# Altium PCB betaV2.3.PcbDoc (part 2 of 2)
Units mm, origin at the board's own origin, x right, y up, seen from the top; angles counter-clockwise.
Board outline 80.01 x 100.08 mm, 2 copper layers (Top Layer, Bottom Layer), stack 1.671 mm thick; 215 components, 117 nets, 570 pads, 209 vias.
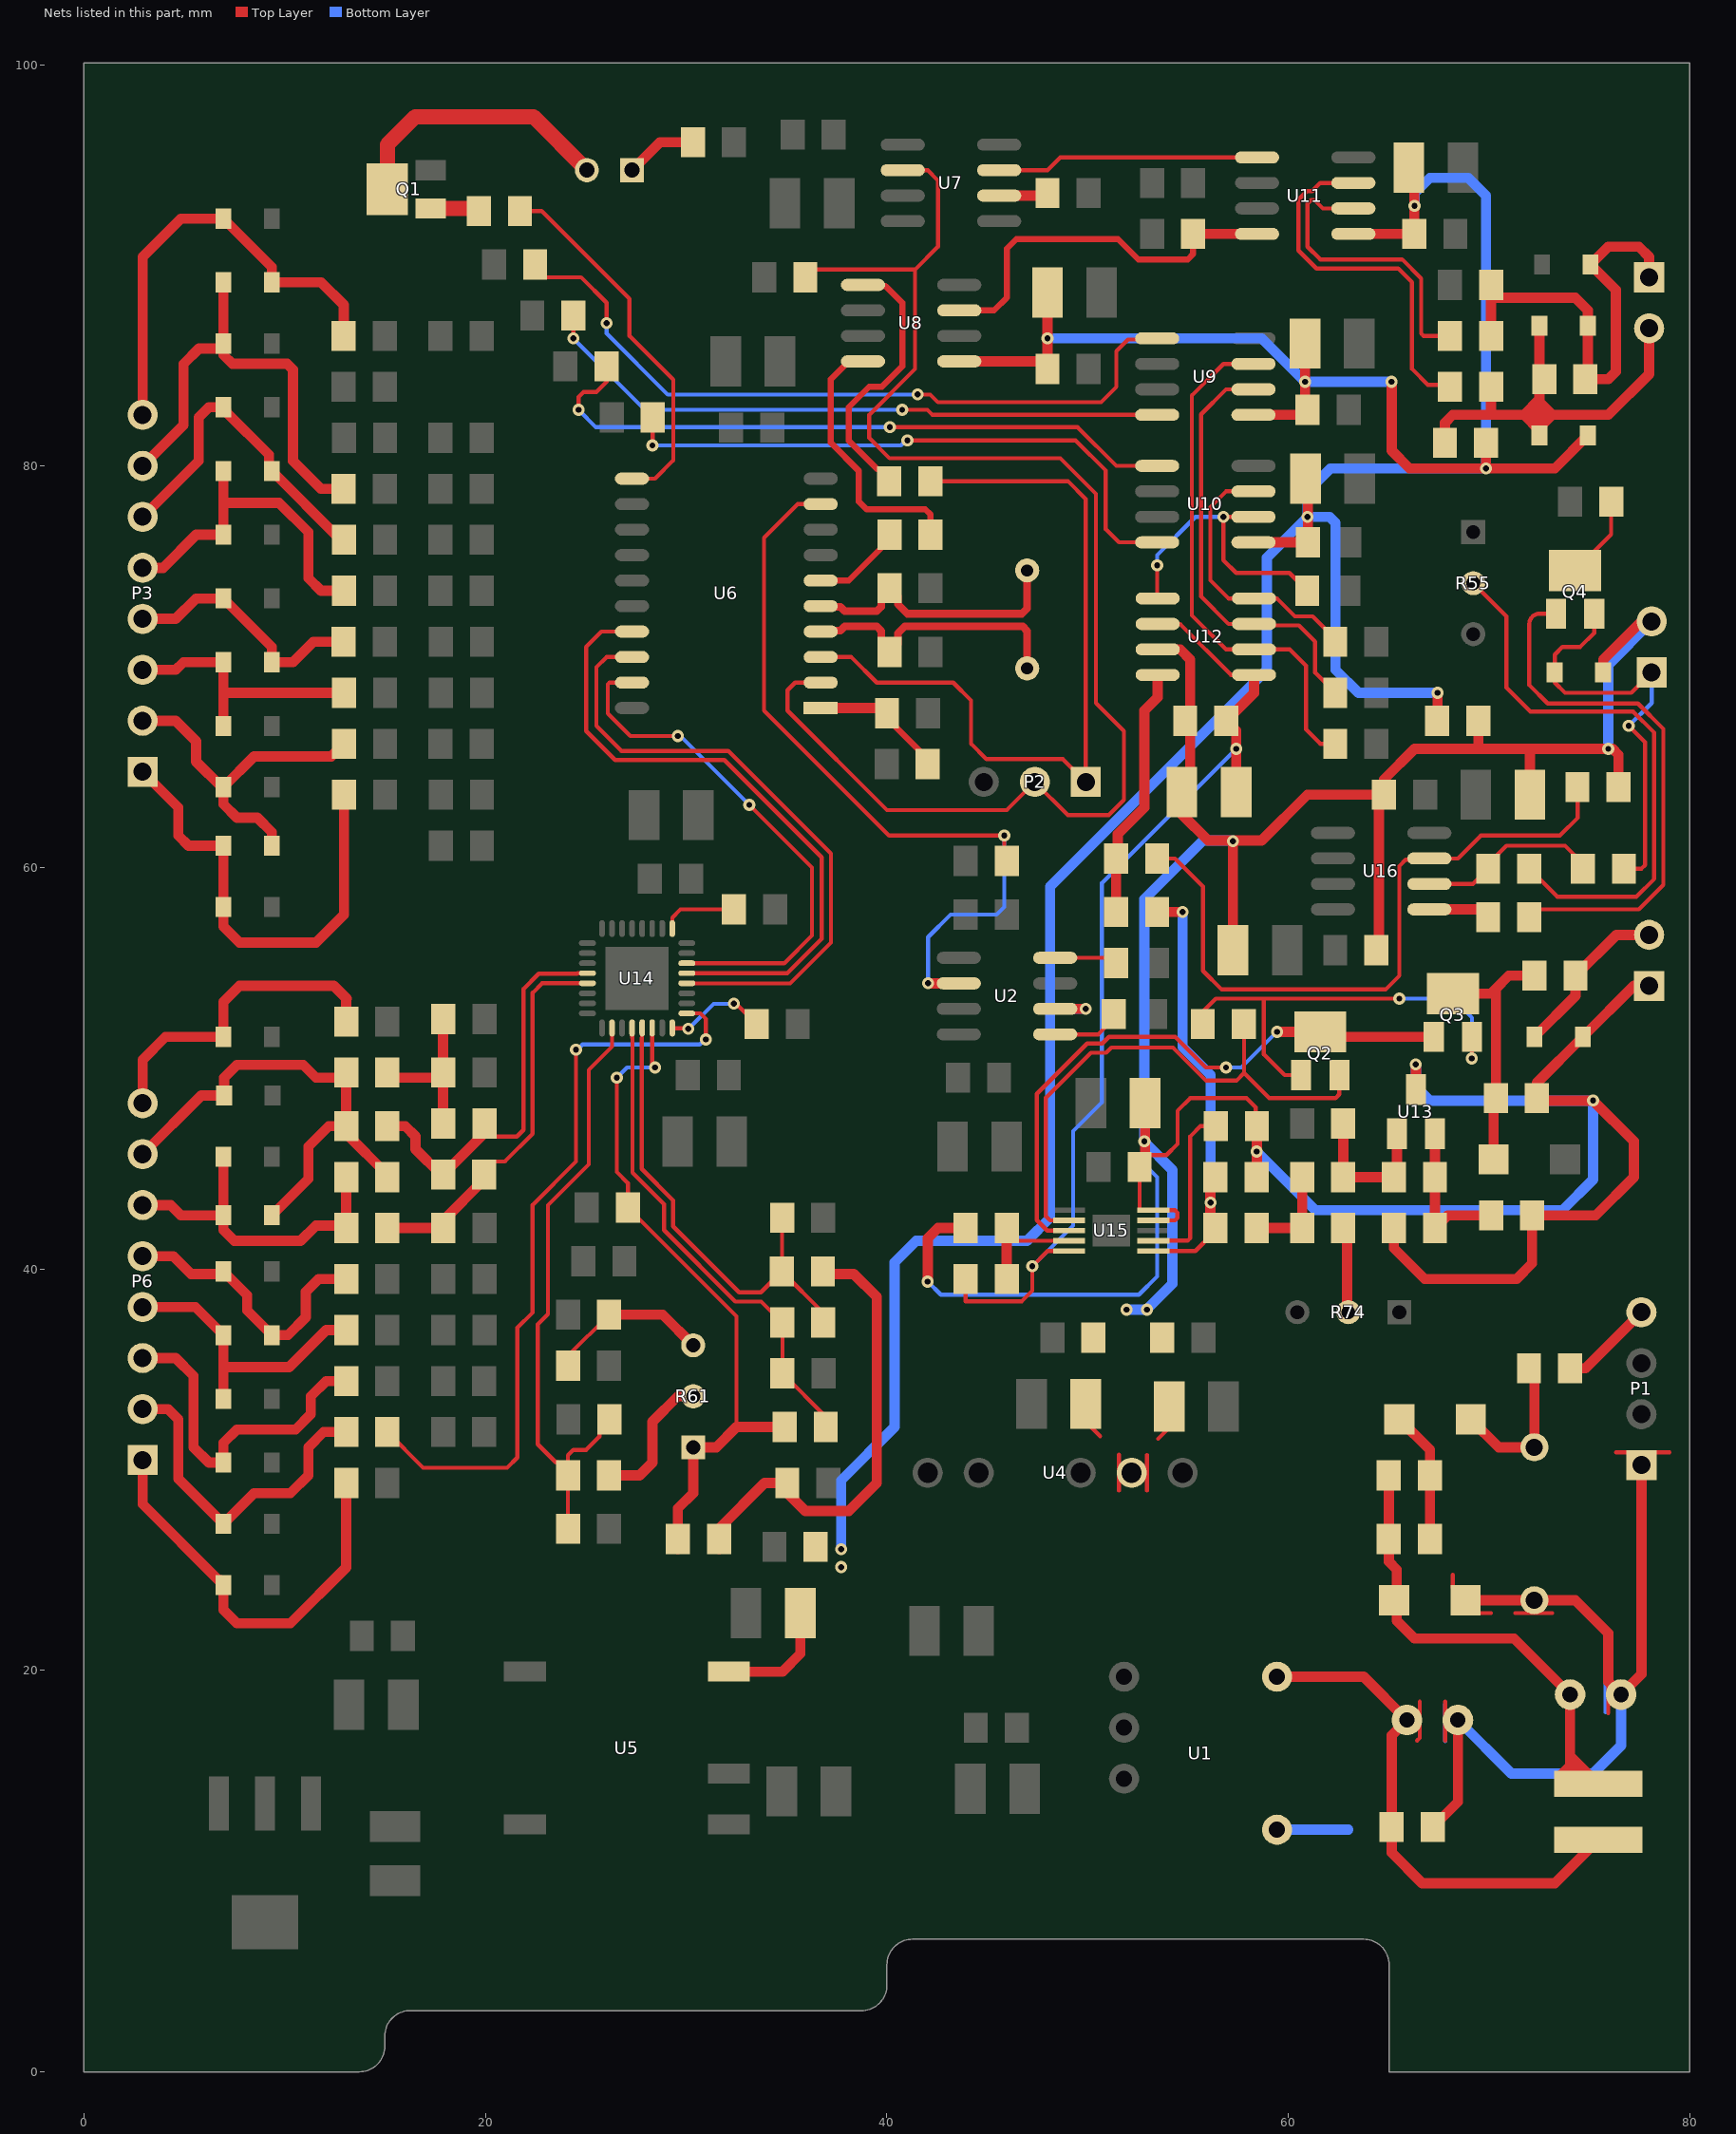
[diagram p2: the nets of this part, all layers, seen from the top]

## Via types
v1: diameter 0.6, hole 0.3, Top Layer to Bottom Layer, 195 vias
v2: diameter 0.5, hole 0.3, Top Layer to Bottom Layer, 9 vias
v3: diameter 0.3, hole 0.2, Top Layer to Bottom Layer, 5 vias

## Nets (pads, with @x,y where several pads share a name; then routed paths per layer and width w, separated by ;. In a path a pad name is that pad's centre, name@x,y a point inside that pad or via, vN(x,y) a via of type N, cw(c..) or ccw(c..) an arc to the next point about the centre after c; other vN are vias at no path point) (continued)
CHN6_P: C69.1 C70.1 R64.1 U14.18 | length 30.7
  Top Layer w0.203: C69.1@24.114,27.432 R64.1@24.114,29.718 R64.1@24.114,29.868 ; C70.1@26.178,32.512 25.679,32.013 25.679,31.649 25.273,31.242 25.019,30.988 24.384,30.988 24.114,30.718 R64.1@24.114,29.868 ; U14.18@26.309,52.008 26.313,52.004 26.313,51.078 25.149,49.914 25.149,45.215 23.114,43.18 23.114,37.746 22.606,37.238 22.606,33.771 22.606,31.267 23.507,30.367 23.616,30.367 R64.1@24.114,29.868
CHN7_N: C73.2 C74.1 R66.1 U14.21 | length 23.8
  Top Layer w0.203: U14.21@27.809,52.008 27.804,52.003 27.804,51.518 27.787,51.501 27.787,44.984 29.353,43.419 29.353,42.123 32.639,38.836 33.724,38.836 R66.1@34.766,39.878 ; C74.1@34.782,42.545 34.782,39.894 R66.1@34.766,39.878 ; C73.2@36.83,37.338 36.83,37.814 R66.1@34.766,39.878
CHN7_P: C72.1 C73.1 R65.1 U14.20 | length 24.6
  Top Layer w0.203: U14.20@27.309,52.008 27.313,52.003 27.313,51.518 27.33,51.501 27.33,44.794 28.896,43.229 28.896,41.934 32.45,38.379 33.741,38.379 C73.1@34.782,37.338 34.798,37.322 C72.1@34.798,34.798 36.957,32.639 R65.1@36.957,32.131
D1: R31.2 U9.7 U12.2 | length 26.3
  Top Layer w0.203: U9.7@58.267,85.09 56.769,85.09 55.2,83.521 55.2,72.562 56.896,70.866 U12.2@58.293,70.866 60.071,70.866 60.884,70.053 60.884,66.878 61.595,66.167 R31.2@62.341,66.167
D2: R33.2 U9.6 U12.3 | length 21.7
  Top Layer w0.203: 55.657,73.502 57.023,72.136 U12.3@58.293,72.136 58.369,72.06 60.528,72.06 61.341,71.247 61.341,69.707 R33.2@62.341,68.707 ; 55.657,73.533 55.657,82.581 56.896,83.82 U9.6@58.267,83.82
D3: R32.2 U10.7 U12.4 | length 13.7
  Top Layer w0.203: U10.7@58.267,78.74 56.899,78.74 56.113,77.954 56.113,74.316 57.023,73.406 U12.4@58.293,73.406 59.436,73.406 60.325,72.517 61.214,72.517 62.341,71.39 R32.2@62.341,71.247
D4: R34.2 U10.6 U12.5 | length 14.8
  Top Layer w0.203: U12.5@53.467,73.406 U12.5@53.467,73.432 ; v1(53.467,75.057) U12.5@53.467,73.432 ; U12.5@53.493,73.406 U12.5@53.467,73.432 ; U10.6@58.267,77.47 v1(56.769,77.47) 56.769,75.311 57.404,74.676 60.055,74.676 R34.2@60.944,73.787
  Bottom Layer w0.203: v1(53.467,75.057) 53.467,75.565 55.372,77.47 v1(56.769,77.47)
DIN: U6.17 U14.29 | length 32.6
  Top Layer w0.203: U6.17@27.303,71.755 25.781,71.755 25.019,70.993 25.019,66.802 26.467,65.354 31.905,65.354 36.754,60.505 36.754,56.45 35.037,54.733 U14.29@30.034,54.733
DOUT: U6.18 U14.28 | length 31.7
  Top Layer w0.203: U6.18@27.303,70.485 26.035,70.485 25.527,69.977 25.527,67.056 26.772,65.811 32.095,65.811 37.211,60.695 37.211,56.261 35.179,54.229 30.038,54.229 U14.28@30.034,54.233
Iout: D19.2 P5.2 R40.1 | length 8.4
  Top Layer w0.508: D19.2@72.263,51.562 74.311,53.61 R40.1@74.311,54.61 76.343,56.642 P5.2@77.978,56.642
IS: Q2.3 R41.2 U15.2 | length 27.6
  Top Layer w0.203: U15.2@49.081,42.418 48.133,42.418 47.925,42.626 47.925,48.535 50.165,50.775 50.929,50.775 51.183,51.029 54.255,51.029 55.901,49.382 57.415,49.382 57.801,49.768 ; R41.2@57.801,52.197 57.801,49.768 ; Q2.3@62.545,49.657 62.545,48.702 62.357,48.514 59.055,48.514 57.801,49.768
NetC4_2: C4.2 R2.2 U6.1 | length 6.8
  Top Layer w0.305: R2.2@40.005,67.691 40.005,67.437 42.037,65.405 C4.2@42.037,65.151
  Top Layer w0.508: U6.1@36.703,67.945 39.751,67.945 R2.2@40.005,67.691
NetC13_1: C13.1 D3.2 L1.1 R8.1 R9.1 | length 27.3
  Top Layer w0.508: R9.1@65.008,29.718 R8.1@65.008,26.543 65.008,25.416 65.405,25.019 65.405,22.479 66.294,21.59 71.247,21.59 C13.1@74.041,18.796 74.041,15.748 ; 74.041,15.43 74.041,15.24 ; 74.041,15.24 74.041,15.748 ; 74.041,15.24 74.041,15.113 L1.1@74.803,14.351 ; 74.041,15.24 73.533,14.732 73.914,14.351 L1.1@74.803,14.351 ; 74.041,15.748 L1.1@75.438,14.351 L1.1@74.803,14.351
NetC48_1: C48.1 D22.1 Q3.3 R40.2 | length 13.4
  Top Layer w0.508: Q3.3@68.199,53.721 70.104,53.721 70.342,53.959 ; D22.1@70.231,45.466 70.231,48.403 C48.1@70.342,48.514 70.342,53.959 ; R40.2@72.263,54.229 R40.2@72.263,54.61 70.993,54.61 70.342,53.959
NetC51_1: C51.1 C52.2 R50.1 R54.2 | length 8
  Top Layer w0.508: R50.1@15.113,49.53 C51.1@17.891,49.53 ; R54.2@17.891,52.197 C51.1@17.891,49.53 ; C52.2@17.907,46.99 17.891,47.006 C51.1@17.891,49.53
NetC62_2: C62.2 U14.1 | length 4
  Top Layer w0.203: U14.1@29.309,56.958 29.309,57.503 29.718,57.912 C62.2@32.639,57.912
NetC65_1: C65.1 R57.1 U16.3 | length 34.4
  Top Layer w0.203: R57.1@53.467,60.452 54.356,60.452 55.753,59.055 55.753,54.856 56.685,53.924 64.846,53.924 65.532,54.61 65.532,60.071 65.847,60.386 66.964,60.386 U16.3@67.03,60.452 68.453,60.452 69.596,61.595 73.533,61.595 74.422,62.484 74.422,63.992 C65.1@74.406,64.008
NetC75_2: C75.2 R70.2 R71.2 U15.6 | length 22
  Top Layer w0.203: U15.6@53.535,40.894 55.372,40.894 R71.2@56.261,41.783
  Top Layer w0.508: R70.2@53.467,57.785 v1(54.737,57.785) ; R71.2@56.118,42.037 C75.2@56.118,44.577
  Bottom Layer w0.508: v1(54.737,57.785) 54.737,51.054 56.134,49.657 v1(56.134,43.307)
NetC76_2: C76.2 U14.24 | length 5.2
  Top Layer w0.203: U14.24@29.309,52.008 29.331,51.986 30.077,51.986 v1(30.099,51.964) ; v1(32.385,53.213) 32.496,53.213 C76.2@33.512,52.197
  Bottom Layer w0.203: v1(30.099,51.964) 30.173,52.037 30.193,52.037 31.369,53.213 v1(32.385,53.213)
NetD1_1: D1.1 R1.2 | length 3.6
  Top Layer w0.508: D1.1@27.305,94.742 28.702,96.139 R1.2@30.337,96.139
NetD1_2: D1.2 Q1.1 | length 13.8
  Top Layer w0.762: Q1.1@15.113,93.792 15.113,96.012 16.51,97.409 22.388,97.409 D1.2@25.055,94.742
NetD2_1: D2.1 F1.2 R5.2 | length 7.8
  Top Layer w0.508: D2.1@69.088,32.512 70.485,31.115 R5.2@72.263,31.115 72.263,34.782 F1.2@71.993,35.052
NetD2_2: D2.2 R8.2 R9.2 | length 6.6
  Top Layer w0.508: D2.2@65.532,32.512 67.056,30.988 R9.2@67.056,29.718 R8.2@67.056,26.543
NetD4_1: D4.1 D18.2 P4.1 R18.2 R20.2 R22.2 | length 23.2
  Top Layer w0.508: R18.2@70.104,86.487 70.104,88.265 ; R20.2@70.104,89.027 70.104,88.265 ; P4.1@77.978,89.408 77.978,90.424 77.47,90.932 75.946,90.932 D4.1@75.057,90.043 76.327,88.773 76.327,84.709 75.946,84.328 R22.2@74.803,84.328 74.93,84.455 D18.2@74.93,86.995 74.93,87.757 74.295,88.392 70.231,88.392 70.104,88.265
NetD5_2: D5.2 D18.1 P4.2 R19.1 R21.2 R22.1 | length 25.5
  Top Layer w0.508: R21.2@67.802,81.153 67.802,82.153 68.199,82.55 70.104,82.55 ; R19.1@70.104,83.947 70.104,82.55 ; D5.2@72.517,81.534 D5.2@72.517,81.788 ; D18.1@72.517,86.995 72.517,84.566 R22.1@72.755,84.328 72.517,84.09 72.517,83.32 ; P4.2@77.978,86.868 77.978,84.582 75.946,82.55 73.152,82.55 ; 70.104,82.55 71.755,82.55 ; 71.755,82.55 72.517,82.55 ; 71.755,82.55 D5.2@72.517,81.788 ; 71.755,82.55 71.755,82.558 72.517,83.32 ; D5.2@72.517,81.788 D5.2@72.517,81.915 ; D5.2@72.517,81.915 72.517,82.55 ; D5.2@72.517,81.915 73.152,82.55 ; 72.517,82.55 73.152,82.55 ; 72.517,82.55 72.517,83.185 ; 72.517,83.185 72.517,83.32 ; 72.517,83.185 73.152,82.55
NetD6_2: D6.2 D7.2 P3.1 R23.2 | length 23.3
  Top Layer w0.508: P3.1@2.921,64.77 4.699,62.992 4.699,61.595 5.207,61.087 D7.2@6.947,61.087 D6.2@6.947,58.039 6.947,57.061 7.747,56.261 11.557,56.261 12.954,57.658 R23.2@12.954,63.627
NetD7_1: D7.1 D8.2 P3.2 R24.2 | length 17.4
  Top Layer w0.508: P3.2@2.921,67.31 4.572,67.31 5.588,66.294 5.588,65.278 6.858,64.008 D8.2@6.947,64.008 ; D7.1@9.36,61.087 9.36,61.76 8.636,62.484 7.62,62.484 6.947,63.157 D8.2@6.947,64.008 ; R24.2@12.954,66.167 12.319,65.532 8.471,65.532 D8.2@6.947,64.008
NetD9_2: D9.2 D10.2 P3.3 R25.2 | length 13.4
  Top Layer w0.508: P3.3@2.921,69.85 4.572,69.85 4.953,70.231 D10.2@6.947,70.231 6.947,68.644 ; D9.2@6.947,67.056 6.947,68.644 ; R25.2@12.954,68.707 7.011,68.707 6.947,68.644
NetD10_1: D10.1 D11.2 P3.4 R26.2 | length 12.6
  Top Layer w0.508: P3.4@2.921,72.39 4.572,72.39 5.588,73.406 D11.2@6.947,73.406 9.36,70.993 D10.1@9.36,70.231 10.414,70.231 11.43,71.247 R26.2@12.938,71.247
NetD12_2: D12.2 D13.2 P3.5 R27.2 | length 17
  Top Layer w0.508: P3.5@2.921,74.93 3.937,74.93 5.588,76.581 D12.2@6.947,76.581 6.947,78.168 ; D13.2@6.947,79.756 6.947,78.168 ; R27.2@12.954,73.787 11.811,73.787 11.176,74.422 11.176,76.708 9.716,78.168 6.947,78.168
NetD13_1: D13.1 D14.2 P3.6 R28.2 | length 16.7
  Top Layer w0.508: P3.6@2.921,77.47 5.715,80.264 5.715,82.423 6.223,82.931 D14.2@6.947,82.931 7.093,82.785 7.093,82.685 9.214,80.564 9.214,79.902 12.789,76.327 R28.2@12.954,76.327
NetD15_2: D15.2 D16.2 P3.7 R29.2 | length 23.3
  Top Layer w0.508: P3.7@2.921,80.01 4.953,82.042 4.953,85.09 5.723,85.86 6.801,85.86 D15.2@6.947,86.006 ; D16.2@6.947,89.154 D15.2@6.947,86.106 D15.2@6.947,86.006 ; R29.2@12.938,78.867 11.811,78.867 10.414,80.264 10.414,84.8 10.116,85.098 7.391,85.098 6.947,85.542 D15.2@6.947,86.006
NetD16_1: D16.1 D17.2 P3.8 R30.2 | length 22.4
  Top Layer w0.508: P3.8@2.921,82.55 2.921,90.424 4.826,92.329 D17.2@6.947,92.329 9.36,89.916 D16.1@9.36,89.154 11.811,89.154 12.938,88.027 R30.2@12.938,86.487
NetD20_2: D20.2 D21.2 P6.7 R42.2 R50.2 R51.2 | length 25.1
  Top Layer w0.508: P6.7@2.921,45.72 5.842,48.641 D20.2@6.985,48.641 6.985,49.53 7.62,50.165 10.922,50.165 11.557,49.53 13.065,49.53 R51.2@13.065,47.117 ; D21.2@9.36,42.672 11.176,44.488 11.176,46.101 12.192,47.117 R51.2@13.065,47.117 ; R42.2@15.113,44.577 15.113,44.704 13.065,46.752 R51.2@13.065,47.117
NetD21_1: D21.1 D24.2 P6.6 R42.1 R52.2 | length 17.1
  Top Layer w0.508: P6.6@2.921,43.18 4.318,43.18 4.826,42.672 D21.1@6.947,42.672 ; D24.2@6.947,45.593 D21.1@6.947,42.672 ; R42.1@13.065,44.577 R52.2@13.065,42.037 12.938,42.164 11.557,42.164 10.795,41.402 7.493,41.402 6.947,41.948 D21.1@6.947,42.672
NetD23_2: D23.2 P6.8 R53.2 | length 16.3
  Top Layer w0.508: P6.8@2.921,48.26 2.921,50.419 4.064,51.562 D23.2@6.947,51.562 6.947,53.302 7.747,54.102 12.446,54.102 13.081,53.467 13.065,53.451 R53.2@13.065,52.324
NetD25_2: D25.2 D26.2 P6.5 R45.2 | length 14.2
  Top Layer w0.508: P6.5@2.921,40.64 4.445,40.64 5.334,39.751 6.82,39.751 D25.2@6.947,39.878 8.128,38.697 8.128,37.935 D26.2@9.36,36.703 10.16,36.703 11.049,37.592 11.049,38.862 11.684,39.497 R45.2@13.065,39.497
NetD26_1: D26.1 D27.2 P6.4 R46.2 | length 14.7
  Top Layer w0.508: P6.4@2.921,38.1 5.55,38.1 D26.1@6.947,36.703 6.947,35.115 ; D27.2@6.947,33.528 6.947,35.115 ; R46.2@13.065,36.957 12.065,36.957 10.223,35.115 6.947,35.115
NetD28_2: D28.2 P6.3 R47.2 | length 17.2
  Top Layer w0.508: P6.3@2.921,35.56 4.572,35.56 5.461,34.671 5.461,31.115 6.223,30.353 D28.2@6.947,30.353 6.947,31.331 7.62,32.004 10.541,32.004 11.303,32.766 11.303,33.655 12.065,34.417 R47.2@13.065,34.417
NetD29_2: D29.2 P6.2 R48.2 | length 17
  Top Layer w0.508: P6.2@2.921,33.02 4.191,33.02 4.699,32.512 4.699,29.553 D29.2@6.947,27.305 8.471,28.829 10.287,28.829 11.176,29.718 11.176,31.115 11.938,31.877 R48.2@13.065,31.877
NetD30_2: D30.2 P6.1 R49.2 | length 20.9
  Top Layer w0.508: P6.1@2.921,30.48 2.921,28.283 6.701,24.503 6.801,24.503 6.947,24.357 6.947,23.025 7.62,22.352 10.287,22.352 13.065,25.13 R49.2@13.065,29.337
NetD31_2: D31.2 P7.1 Q4.3 R63.1 | length 21.8
  Top Layer w0.203: Q4.3@75.245,72.644 75.245,71.689 74.549,70.993 73.66,70.993 73.279,70.612 D31.2@73.279,69.723 73.279,69.215 73.787,68.707 77.089,68.707 P7.1@78.105,69.723 ; R63.1@76.724,59.944 77.597,59.944 77.775,60.122 77.775,66.243 v1(76.962,67.056)
  Bottom Layer w0.203: v1(76.962,67.056) 78.105,68.199 P7.1@78.105,69.723
NetF1_1: F1.1 P1.4 | length 4.7
  Top Layer w0.508: F1.1@74.041,35.052 74.803,35.052 P1.4@77.597,37.846
NetNTC1_1: NTC1.1 R58.2 R66.2 | length 23.8
  Top Layer w0.508: NTC1.1@31.639,26.035 31.639,27.067 33.909,29.337 R58.2@35.036,29.337 35.036,28.845 35.941,27.94 38.1,27.94 39.497,29.337 39.497,38.608 38.354,39.751 36.941,39.751 R66.2@36.814,39.878
NetP2_1: P2.1 R6.2 U6.3 | length 39.8
  Top Layer w0.203: U6.3@36.703,70.485 38.227,70.485 39.497,69.215 43.307,69.215 44.196,68.326 44.196,66.167 44.958,65.405 48.768,65.405 49.784,64.389 P2.1@49.911,64.262 ; R6.2@42.164,79.248 49.022,79.248 49.911,78.359 P2.1@49.911,64.262 ; P2.1@49.911,63.754 P2.1@49.911,64.262
NetP2_2: P2.2 R76.1 U6.2 U7.6 | length 73.4
  Top Layer w0.203: R76.1@35.941,89.408 36.322,89.789 41.402,89.789 ; U6.2@36.703,69.215 35.433,69.215 35.052,68.834 35.052,67.82 40.007,62.865 45.974,62.865 P2.2@47.371,64.262 49.022,62.611 51.054,62.611 51.816,63.373 51.816,66.802 50.419,68.199 50.419,78.613 48.641,80.391 40.132,80.391 39.116,81.407 39.116,82.55 41.402,84.836 41.402,89.789 ; U7.6@40.697,94.742 40.699,94.74 42.039,94.74 42.545,94.234 42.545,90.932 41.402,89.789
NetQ1_2: Q1.2 R75.2 | length 2.5
  Top Layer w0.762: Q1.2@17.272,92.842 19.537,92.842 R75.2@19.669,92.71
NetQ2_2: Q2.2 Q3.2 R41.1 | length 23.2
  Top Layer w0.203: R41.1@55.753,51.816 55.753,52.832 56.388,53.467 58.78,53.467 ; Q2.2@60.645,49.657 59.817,49.657 58.78,50.694 58.78,53.467 ; v1(65.532,53.467) 58.78,53.467 ; v1(69.149,50.485) Q3.2@69.149,51.562
  Bottom Layer w0.203: v1(65.532,53.467) 68.199,53.467 69.149,52.517 v1(69.149,50.485)
NetQ4_1: Q4.1 R68.2 | length 4.2
  Top Layer w0.203: Q4.1@74.295,74.803 76.089,76.597 R68.2@76.089,78.232
NetQ4_2: Q4.2 R67.1 | length 27.2
  Top Layer w0.203: R67.1@72.009,57.912 77.47,57.912 78.689,59.131 78.689,66.902 77.423,68.168 72.929,68.168 72.009,69.088 72.009,72.136 cw(c72.517,72.136) 72.517,72.644 Q4.2@73.345,72.644
NetR3_1: R3.1 U2.1 | length 3.2
  Top Layer w0.203: U2.1@48.387,51.689 50.53,51.689 R3.1@51.292,52.451
NetR4_1: R4.1 U2.4 | length 3.1
  Top Layer w0.203: U2.4@48.387,55.499 51.165,55.499 R4.1@51.419,55.245
NetR6_1: R6.1 U8.1 | length 13.6
  Top Layer w0.305: U8.1@38.811,89.018 38.859,88.971 39.934,88.971 40.767,88.138 40.767,84.963 39.751,83.947 39.116,83.947 38.1,82.931 38.1,81.264 39.518,79.846 39.668,79.846 40.116,79.398 R6.1@40.116,79.248
NetR7_1: R7.1 U8.4 | length 12.8
  Top Layer w0.305: U8.4@38.1,85.217 37.211,84.328 37.211,81.153 38.608,79.756 38.608,78.232 38.989,77.851 41.91,77.851 42.18,77.581 R7.1@42.18,76.581
NetR7_2: R7.2 U6.6 | length 4.5
  Top Layer w0.305: U6.6@36.703,74.295 38.1,74.295 40.132,76.327 R7.2@40.132,76.581
NetR14_1: R14.1 U9.1 | length 36.9
  Top Layer w0.203: R14.1@22.479,90.043 22.479,89.907 22.978,89.408 24.765,89.408 26.035,88.138 v1(26.035,87.122) ; v1(41.529,83.566) 42.164,83.566 42.545,83.185 50.673,83.185 51.435,83.947 51.435,85.725 52.017,86.307 53.16,86.307 U9.1@53.213,86.36
  Bottom Layer w0.203: v1(26.035,87.122) 26.035,86.614 29.083,83.566 v1(41.529,83.566)
NetR15_1: R15.1 U9.4 | length 31.8
  Top Layer w0.203: v1(24.384,86.36) R15.1@24.384,87.503 ; v1(40.767,82.804) 42.017,82.804 42.271,82.55 U9.4@53.467,82.55
  Bottom Layer w0.203: v1(24.384,86.36) 27.94,82.804 v1(40.767,82.804)
NetR16_1: R16.1 U10.1 | length 33.1
  Top Layer w0.203: v1(24.638,82.804) 24.638,83.439 24.892,83.693 25.527,83.693 26.035,84.201 R16.1@26.035,84.963 ; v1(40.153,81.936) 49.509,81.936 51.435,80.01 U10.1@53.467,80.01
  Bottom Layer w0.203: v1(24.638,82.804) 25.506,81.936 v1(40.153,81.936)
NetR17_1: R17.1 U10.4 | length 30.5
  Top Layer w0.203: v1(28.321,81.026) 28.337,81.042 R17.1@28.337,82.423 ; v1(41.021,81.28) 49.403,81.28 50.906,79.777 50.906,76.856 51.562,76.2 U10.4@53.467,76.2
  Bottom Layer w0.203: v1(28.321,81.026) 40.704,81.026 40.958,81.28 v1(41.021,81.28)
NetR36_1: R36.1 R37.2 R38.1 U13.2 | length 7.8
  Top Layer w0.508: U13.2@67.31,46.736 R37.2@67.31,44.577 R36.1@67.31,42.037 67.945,42.672 R38.1@70.104,42.672
NetR55_2: R55.2 R56.2 | length 28.2
  Top Layer w0.203: R55.2@69.5,73.883 70.866,72.517 70.866,68.961 72.061,67.766 77.18,67.766 78.232,66.713 78.232,59.436 77.343,58.547 73.406,58.547 R56.2@72.009,59.944
NetR56_1: R56.1 R63.2 U16.2 | length 9.2
  Top Layer w0.203: U16.2@67.03,59.182 69.199,59.182 R56.1@69.961,59.944 69.961,60.182 70.866,61.087 73.787,61.087 74.676,60.198 R63.2@74.676,59.944
NetR60_2: R60.2 R61.3 R62.2 | length 8.2
  Top Layer w0.203: R62.2@24.114,35.179 24.114,35.671 R60.2@26.162,37.719
  Top Layer w0.508: R60.2@26.162,37.719 28.829,37.719 R61.3@30.353,36.195
NetR61_2: R61.2 R64.2 | length 7
  Top Layer w0.508: R64.2@26.162,29.718 27.686,29.718 28.321,30.353 28.321,32.385 29.591,33.655 R61.2@30.353,33.655
NetR67_2: R67.2 U16.1 | length 2.9
  Top Layer w0.508: U16.1@67.03,57.912 R67.2@69.961,57.912
NetR69_2: R69.2 U15.7 | length 8.2
  Top Layer w0.203: U15.7@53.543,41.419 54.999,41.419 55.118,41.538 55.118,46.609 55.626,47.117 R69.2@56.388,47.117
NetR71_1: R71.1 R72.2 R73.1 | length 4.8
  Top Layer w0.508: R71.1@58.42,42.037 R73.1@60.69,42.037 R72.2@60.69,44.577
NetR73_2: R73.2 R74.2 | length 4.3
  Top Layer w0.508: R73.2@62.738,42.037 62.936,41.839 R74.2@62.936,37.846
NetR77_2: R77.2 U7.2 | length 2.4
  Top Layer w0.508: U7.2@45.659,93.472 R77.2@48.072,93.472
PowerOK: R75.1 U6.11 | length 18.7
  Top Layer w0.203: R75.1@21.717,92.71 22.799,92.71 27.178,88.331 27.178,86.487 29.362,84.303 29.362,80.289 28.448,79.375 U6.11@27.303,79.375
PSW: R48.1 U14.25 | length 37.7
  Top Layer w0.203: R48.1@15.113,31.877 16.891,30.099 21.082,30.099 21.59,30.607 21.59,37.073 22.352,37.835 22.352,43.191 24.511,45.35 v1(24.511,50.927) ; U14.25@30.034,52.733 30.706,52.733 30.988,52.451 v1(30.988,51.435)
  Bottom Layer w0.203: v1(24.511,50.927) 24.574,50.927 24.828,51.181 30.671,51.181 30.925,51.435 v1(30.988,51.435)
REFIN1_N: C53.2 C54.1 R52.1 U14.13 | length 19.6
  Top Layer w0.203: C53.2@19.939,44.704 19.939,44.854 20.438,45.353 20.969,45.353 22.352,46.736 22.352,53.759 22.826,54.233 U14.13@25.084,54.233
  Top Layer w0.508: R52.1@15.113,42.037 C54.1@17.907,42.037 17.907,42.418 19.939,44.45 C53.2@19.939,44.704
REFIN1_P: C52.1 C53.1 R51.1 U14.12 | length 20.1
  Top Layer w0.203: C52.1@20.125,46.924 20.453,46.595 21.565,46.595 21.895,46.925 21.895,53.948 22.658,54.711 24.577,54.711 24.594,54.728 25.079,54.728 U14.12@25.084,54.733
  Top Layer w0.508: R51.1@15.113,47.117 16.002,47.117 16.51,46.609 16.51,45.974 17.78,44.704 C53.1@17.891,44.704 19.955,46.768 C52.1@19.955,47.244
REFOUT: NTC1.2 R59.1 R61.1 R65.2 U14.22 | length 34.4
  Top Layer w0.203: v1(26.543,49.53) 26.543,44.831 27.096,44.278 R59.1@27.096,43.055 32.512,37.639 32.512,32.131 ; U14.22@28.309,52.008 28.313,52.003 28.313,50.173 v1(28.448,50.038)
  Top Layer w0.508: NTC1.2@29.591,26.035 NTC1.2@29.591,26.543 29.591,28.067 30.353,28.829 R61.1@30.353,31.115 31.496,31.115 32.512,32.131 R65.2@34.909,32.131
  Bottom Layer w0.203: v1(26.543,49.53) 27.051,50.038 v1(28.448,50.038)
RS485_N: R19.2 U11.7 | length 18.5
  Top Layer w0.203: U11.7@63.246,94.107 61.595,94.107 61.188,93.7 60.934,93.7 60.503,93.269 60.503,90.743 61.406,89.84 65.481,89.84 66.167,89.154 66.167,84.836 66.955,84.048 67.955,84.048 R19.2@68.056,83.947
RS485_P: R18.1 U11.6 | length 15.2
  Top Layer w0.203: U11.6@63.246,92.837 61.722,92.837 61.316,93.243 61.124,93.243 60.96,93.08 60.96,90.932 61.595,90.297 65.67,90.297 66.624,89.343 66.624,86.606 66.743,86.487 R18.1@68.056,86.487
RxD: U7.3 U11.1 | length 13.1
  Top Layer w0.203: U7.3@45.563,94.742 48.006,94.742 48.641,95.377 U11.1@58.446,95.377
SCLK: U6.19 U14.30 | length 26.2
  Top Layer w0.203: U6.19@27.303,69.215 26.185,69.215 26.097,69.127 26.097,67.673 27.223,66.548 v1(29.591,66.548) ; U14.30@30.034,55.233 34.89,55.233 36.271,56.614 36.271,59.995 v1(33.147,63.119)
  Bottom Layer w0.203: v1(29.591,66.548) 29.718,66.548 v1(33.147,63.119)
SGND: C16.2 C22.1 C23.2 C25.2 C28.2 C29.2 C30.2 C31.2 C32.2 C33.2 D5.1 R21.1 R39.1 U2.2 U5.4 U8.5 U9.5 U10.5 U11.5 | length 179.2
  Top Layer w0.508: U5.4@32.131,19.939 34.798,19.939 35.687,20.828 C16.2@35.687,22.86 ; U8.5@43.612,85.217 47.625,85.217 C25.2@48.006,84.836 v1(48.006,86.36) C23.2@48.006,88.9 ; U2.2@48.387,52.959 v1(49.911,52.959) ; U10.5@58.267,76.2 C31.2@60.984,76.2 60.984,79.248 C33.2@60.857,79.375 ; U9.5@58.267,82.55 60.706,82.55 C30.2@60.96,82.804 60.833,82.931 v1(60.833,84.201) C32.2@60.833,86.106 ; U11.5@63.246,91.567 C29.2@66.278,91.567 66.278,94.598 C28.2@66.007,94.869 ; v1(65.151,84.201) 65.151,80.772 66.04,79.883 v1(69.85,79.883) ; R39.1@67.421,67.31 67.437,67.326 v1(67.437,68.707) ; R21.1@69.85,81.153 v1(69.85,79.883) ; D5.1@74.93,81.534 73.279,79.883 v1(69.85,79.883)
  Bottom Layer w0.508: v1(37.719,26.035) 37.719,29.464 40.386,32.131 40.386,40.324 41.464,41.402 46.99,41.402 48.133,42.545 48.133,52.959 ; v1(48.006,86.36) 58.674,86.36 v1(60.833,84.201) v1(65.151,84.201) ; v1(49.911,52.959) 48.133,52.959 ; v1(66.294,92.964) 66.294,93.599 67.056,94.361 68.961,94.361 69.85,93.472 v1(69.85,79.883) 62.103,79.883 60.96,78.74 v1(60.96,77.47) ; v1(67.437,68.707) 63.5,68.707 62.357,69.85 62.357,77.172 62.059,77.47 v1(60.96,77.47) ; 48.133,52.959 48.133,59.055 58.928,69.85 58.928,75.438 v1(60.96,77.47)
  other v1: 37.719,25.146
TxD: R10.2 U8.7 U11.4 | length 19.3
  Top Layer w0.305: U8.7@43.612,87.757 45.339,87.757 45.974,88.392 45.974,90.832 46.455,91.313 51.517,91.313 52.536,90.294 54.991,90.294 55.261,90.564 R10.2@55.261,91.567
  Top Layer w0.508: R10.2@55.261,91.567 U11.4@58.446,91.567
VBIAS: R35.2 R37.1 R72.1 U13.1 | length 7.7
  Top Layer w0.508: R35.2@62.738,47.244 R72.1@62.738,44.577 R37.1@65.516,44.577 ; R37.1@65.262,44.577 65.41,44.725 U13.1@65.41,46.736
VG: Q2.1 Q3.1 U15.3 | length 30.5
  Top Layer w0.203: U15.3@49.081,41.91 47.995,41.91 47.468,42.436 47.468,48.725 49.976,51.232 50.74,51.232 51.07,51.562 54.367,51.562 55.891,50.038 v1(56.896,50.038)
  Top Layer w0.508: v1(59.436,51.816) Q2.1@61.595,51.816 61.849,51.562 Q3.1@67.249,51.562
  Bottom Layer w0.203: v1(56.896,50.038) 57.658,50.038 v1(59.436,51.816)
VIN+: C21.1 C24.1 L1.2 U1.4 | length 28.1
  Top Layer w0.203: 66.421,16.51 66.548,16.637 66.548,18.446
  Top Layer w0.508: U1.4@59.436,19.685 63.754,19.685 C21.1@65.913,17.526 65.151,16.764 C24.1@65.151,12.192 65.151,10.922 66.675,9.398 73.285,9.398 L1.2@75.438,11.551
VIN-: C13.2 C21.2 C24.2 D3.1 P1.1 R5.1 U1.1 | length 59.3
  Top Layer w0.203: 67.818,16.51 67.818,18.446 ; 68.199,24.765 68.199,24.13 D3.1@68.834,23.495 69.025,23.304 69.469,22.86 70.104,22.86 ; 71.31,22.86 73.152,22.86 ; 75.946,17.876 75.946,19.431 ; 76.327,30.861 78.994,30.861
  Top Layer w0.508: C24.2@67.199,12.192 68.453,13.446 C21.2@68.453,17.526 ; D3.1@68.961,23.241 69.025,23.304 69.215,23.495 R5.1@72.263,23.495 74.295,23.495 75.946,21.844 75.946,19.431 C13.2@76.581,18.796 77.597,19.812 P1.1@77.597,30.226
  Bottom Layer w0.203: 67.818,16.478 67.818,18.311 ; 75.819,17.907 75.819,19.614
  Bottom Layer w0.508: U1.1@59.436,12.065 62.992,12.065 ; C21.2@68.453,17.526 71.12,14.859 75.184,14.859 76.581,16.256 C13.2@76.581,18.796
VOUT: R57.2 R70.1 U12.8 | length 12.7
  Top Layer w0.508: R70.1@51.419,57.785 R57.2@51.419,60.452 51.506,60.539 51.506,61.666 52.832,62.992 52.832,67.818 53.493,68.479 U12.8@53.493,69.596
VREGF: C46.1 C47.2 R43.1 U12.1 U12.6 U15.5 | length 50.5
  Top Layer w0.203: R43.1@43.926,39.497 43.926,38.391 46.721,38.391 47.244,38.914 v1(47.244,40.132) 48.006,40.894 U15.5@49.081,40.894 ; U12.6@53.493,72.136 54.61,72.136 57.15,69.596 U12.1@58.293,69.596
  Top Layer w0.508: C46.1@57.404,63.754 v1(57.404,65.913) 57.404,66.818 C47.2@56.912,67.31 58.293,68.691 U12.1@58.293,69.596
  Bottom Layer w0.203: v1(47.244,40.132) 47.904,40.792 49.276,42.164 49.276,46.863 50.719,48.306 50.719,59.228 v1(57.404,65.913)
VREGS: R43.2 R44.1 U15.4 | length 6.2
  Top Layer w0.203: R44.1@45.974,42.037 45.974,41.901 46.473,41.402 U15.4@49.273,41.402
  Top Layer w0.508: R43.2@45.974,39.497 R44.1@45.974,42.037
XTAL_N: C5.1 U6.5 Y1.1 | length 13.9
  Top Layer w0.381: U6.5@36.703,73.025 36.745,72.983 37.696,72.983 37.908,72.771 39.499,72.771 39.722,72.994 39.722,73.504 C5.1@40.132,73.914 40.542,73.504 40.542,73.124 41.021,72.644 46.73,72.644 46.99,72.904 Y1.1@46.99,74.803
XTAL_P: C2.1 U6.4 Y1.2 | length 14.1
  Top Layer w0.381: U6.4@36.703,71.755 36.745,71.797 37.696,71.797 37.908,72.009 39.499,72.009 39.722,71.786 39.722,71.149 C2.1@40.132,70.739 40.542,71.149 40.542,71.657 40.894,72.009 46.767,72.009 46.99,71.786 Y1.2@46.99,69.923
±15VGND: C17.2 C18.2 C19.2 C20.1 C46.2 C47.1 C48.2 C49.2 C50.2 C59.1 C60.1 C61.2 C63.1 C65.2 C75.1 D19.1 D31.1 P5.1 P7.2 R36.2 R38.2 R39.2 R44.2 R69.1 U4.5 U12.7 U13.3 U15.9 U15.10 | length 209.8
  Top Layer w0.203: C20.1@49.911,33.274 49.911,32.385 50.628,31.668 ; 51.562,28.956 51.562,30.75 ; U15.10@52.594,43.037 C60.1@52.594,45.085 52.81,45.301 52.921,45.301 52.921,45.504 53.092,45.675 53.93,45.675 54.483,46.228 54.483,47.879 55.118,48.514 57.912,48.514 58.373,48.053 58.373,47.18 R69.1@58.436,47.117 ; 52.959,28.956 52.959,30.734 ; 53.512,31.541 54.069,32.098 C17.2@54.069,33.147
  Top Layer w0.208: U15.9@53.272,42.418 54.356,42.418 54.483,42.545 54.483,42.799 54.356,42.926 U15.10@53.272,42.926
  Top Layer w0.508: v1(42.037,39.37) 42.037,41.529 42.545,42.037 R44.2@43.926,42.037 ; C60.1@52.81,45.301 52.865,45.356 C50.2@52.865,48.26 ; U12.7@53.493,70.866 54.61,70.866 55.118,70.358 55.118,67.31 55.118,64.168 C46.2@54.704,63.754 54.704,62.644 56.007,61.341 57.244,61.341 58.674,61.341 60.96,63.627 64.516,63.627 C63.1@64.77,63.627 ; C49.2@57.244,55.88 v1(57.244,61.308) ; C75.1@58.42,44.577 58.436,44.593 R69.1@58.436,47.117 ; C59.1@64.389,55.88 64.516,56.007 64.516,63.373 C63.1@64.77,63.627 ; R36.2@65.262,42.037 65.262,41.037 66.802,39.497 71.374,39.497 72.152,40.275 R38.2@72.152,42.672 75.311,42.672 77.216,44.577 77.216,46.355 v1(75.184,48.387) 72.517,48.387 C48.2@72.39,48.514 72.39,49.276 D19.1@74.676,51.562 77.216,54.102 P5.1@77.978,54.102 ; v1(66.357,50.198) 66.36,50.195 U13.3@66.36,48.936 ; R39.2@69.469,67.31 69.469,65.913 ; C61.2@72.042,63.627 72.042,65.913 ; D31.1@75.692,69.723 75.692,70.358 77.597,72.263 P7.2@78.105,72.263 ; C65.2@76.454,64.008 76.454,65.615 76.156,65.913 v1(75.946,65.913) 72.042,65.913 ; C63.1@64.77,63.627 64.77,64.389 66.294,65.913 69.469,65.913 ; 69.469,65.913 72.042,65.913
  Bottom Layer w0.203: v1(42.037,39.37) 42.693,38.714 52.557,38.714 53.467,39.624 53.467,44.577 52.832,45.212 v1@52.832,46.33
  Bottom Layer w0.508: v1(51.943,37.973) v1(52.959,37.973) 52.959,37.998 54.229,39.268 54.229,44.933 52.832,46.33 v1(52.832,46.355) 52.832,58.42 55.753,61.341 v1@57.244,61.341 ; v1(58.42,45.847) 61.341,42.926 73.66,42.926 75.184,44.45 v1(75.184,48.387) 67.056,48.387 66.357,49.086 v1(66.357,50.198) ; v1(75.946,65.913) 75.946,70.104 P7.2@78.105,72.263
±15VON: R13.2 U2.6 U6.9 | length 39.8
  Top Layer w0.203: U6.9@36.703,78.105 35.56,78.105 33.884,76.429 33.884,67.819 40.108,61.595 v1(45.847,61.595) 45.847,60.452 R13.2@45.974,60.325 ; v1(42.051,54.243) v1@42.065,54.229
  Top Layer w0.508: v1@42.065,54.229 U2.6@43.587,54.229
  Bottom Layer w0.203: v1(42.051,54.243) 42.051,56.529 43.18,57.658 45.466,57.658 45.847,58.039 v1(45.847,61.595)
pads on no net: P1.2 P1.3 U1.6 U3.4 U5.8 U6.7 U7.1 U7.4 U7.7 U14.27 U14.31 U14.33 U15.8 U15.12 U16.5 U16.6 U16.7
copper on no net: | length 12.4
  Top Layer w0.508: 36.703,75.565 38.1,75.565 ; 45.593,92.202 47.371,92.202 ; 45.593,96.012 47.498,96.012 ; 60.579,59.182 62.23,59.182 ; 60.579,60.452 62.23,60.452 ; 60.706,61.722 62.23,61.722
  Top Layer w1: 21.971,12.319 24.511,12.319
  other v2: 26.559,53.483 27.559,53.483 28.559,53.483 26.559,54.483 27.559,54.483 28.559,54.483 26.559,55.483 27.559,55.483 28.559,55.483
  other v3: 50.605,41.402 51.748,41.402 51.181,41.91 50.605,42.418 51.748,42.418

## Polygon pours and split planes (outlines as drawn)
3.3VCC on Top Layer "3.3VCC_L01_P064" (hatched 90Degree grid 0.508 track 0.203, pour order 64): 29.972,63.881 30.734,63.881 33.655,60.96 33.655,60.198 32.512,60.198 30.607,58.293 29.972,58.293
5VDD on Top Layer "5VDD_L01_P103" (hatched 90Degree grid 0.508 track 0.203, pour order 103): 49.53,94.234 50.165,94.869 53.721,94.869 53.721,90.932 52.705,90.932 51.435,92.202 49.911,92.202 49.53,92.583
5VIN- on Top Layer "5VIN-_L01_P102" (hatched 90Degree grid 0.508 track 0.203, pour order 102): 34.036,87.122 34.925,88.011 37.211,88.011 37.211,86.233 36.83,86.233 36.576,85.979 36.576,85.344 34.036,85.344
5VIN- on Top Layer "5VIN-_L01_P101" (hatched 90Degree grid 0.508 track 0.203, pour order 101): 36.83,96.012 36.83,97.409 37.211,97.79 41.529,97.79 42.291,97.028 42.291,96.266 41.783,95.758 39.116,95.758 38.862,96.012
3.3VCC on Top Layer "3.3VCC_L01_P074" (hatched 90Degree grid 0.508 track 0.203, pour order 74): 30.226,87.122 30.226,91.059 29.972,91.313 29.972,92.202 30.861,92.202 30.861,91.948 31.369,91.44 33.909,91.44 34.163,91.694 34.163,92.837 35.814,92.837 35.814,90.805 33.147,90.805 32.766,90.424 32.766,87.122
3.3VCC on Top Layer "3.3VCC_L01_P065" (hatched 90Degree grid 0.508 track 0.203, pour order 65): 29.21,85.471 29.845,84.836 29.845,81.28 32.766,81.28 32.766,87.122 29.21,87.122
5VIN- on Top Layer "5VIN-_L01_P085" (hatched 90Degree grid 0.508 track 0.203, pour order 85): 34.036,86.36 36.195,86.36 36.576,85.979 36.576,83.82 34.671,81.915 34.671,81.407 34.036,81.407
5VIN- on Top Layer "5VIN-_L01_P098" (hatched 90Degree grid 0.508 track 0.203, pour order 98): 15.113,19.431 15.113,16.637 14.351,15.875 12.065,15.875 11.049,14.859 11.049,13.335 12.173,13.335 12.173,13.951 12.319,14.097 15.494,14.097 17.653,16.256 17.653,19.431 15.342,19.431
3.3VCC on Top Layer "3.3VCC_L01_P097" (hatched 90Degree grid 0.508 track 0.203, pour order 97): 8.636,12.192 8.636,19.685 12.065,23.114 14.351,23.114 14.351,20.701 13.97,20.32 13.97,16.891 13.716,16.637 10.795,16.637 9.398,15.24 9.398,12.192
5VIN on Top Layer "5VIN_L01_P096" (hatched 90Degree grid 0.508 track 0.203, pour order 96): 24.46,9.398 14.097,9.398 13.081,10.414 10.414,10.414 9.779,11.049 7.62,11.049 7.112,11.557 7.112,14.732 5.715,14.732 5.334,14.351 5.334,10.795 6.096,10.033 9.017,10.033 9.525,9.525 11.811,9.525 12.446,8.89 24.46,8.89
5VIN- on Top Layer "5VIN-_L01_P095" (hatched 90Degree grid 0.508 track 0.203, pour order 95): 17.907,10.16 19.558,10.16 19.812,10.414 19.812,14.478 19.558,14.732 16.891,14.732 15.748,13.589 15.748,12.7 15.24,12.7 15.24,13.462 11.176,13.462 11.176,11.557 17.653,11.557 17.907,11.303
15V on Top Layer "15V_L01_P087" (hatched 90Degree grid 0.508 track 0.203, pour order 87): 55.372,37.846 55.372,35.687 56.134,34.925 56.134,31.75 54.102,29.718 54.102,28.194 54.483,27.813 55.753,27.813 63.627,35.687 63.627,36.322 58.293,36.322 56.769,37.846
VIN- on Top Layer "VIN-_L01_P092" (hatched 90Degree grid 0.508 track 0.203, pour order 92): 68.199,24.765 72.39,24.765 75.438,27.813 75.438,29.972 76.327,30.861 78.994,30.861 78.994,17.653 78.359,17.018 76.454,17.018 75.946,17.526 75.946,21.336 74.422,22.86 68.199,22.86
VIN- on Top Layer "VIN-_L01_P090" (hatched 90Degree grid 0.508 track 0.203, pour order 90): 68.834,20.574 67.818,19.558 67.818,15.494 68.199,15.113 68.199,14.732 66.802,13.335 66.802,11.43 67.564,10.668 69.088,10.668 70.612,12.192 70.612,19.304 69.342,20.574
VIN+ on Top Layer "VIN+_L01_P089" (hatched 90Degree grid 0.508 track 0.203, pour order 89): 59.309,23.495 57.658,21.844 57.658,18.288 58.42,17.526 65.913,17.526 65.659,17.272 64.77,17.272 63.373,15.875 63.373,13.081 64.262,12.192 64.262,12.065 63.5,11.303 63.5,10.795 66.548,7.747 77.216,7.747 78.74,9.271 78.74,12.065 72.644,12.065 70.104,9.525 66.802,9.525 65.659,10.668 65.659,14.986 66.548,15.875 66.548,18.669 61.722,23.495
-15V on Top Layer "-15V_L01_P088" (hatched 90Degree grid 0.508 track 0.203, pour order 88): 44.958,34.798 48.895,38.735 49.244,38.386 49.308,38.386 49.308,38.005 48.768,37.465 48.768,35.941 47.879,35.052 47.879,32.131 49.022,30.988 49.657,30.988 50.419,30.226 50.419,28.194 50.038,27.813 49.276,27.813 48.641,28.448 48.641,29.845 44.958,33.528
±15VGND on Top Layer "±15VGND_L01_P086" (hatched 90Degree grid 0.508 track 0.203, pour order 86): 49.911,37.846 50.419,38.354 53.467,38.354 53.975,37.846 53.975,35.306 54.737,34.544 54.737,32.766 52.959,30.988 52.959,28.067 52.705,27.813 51.943,27.813 51.562,28.194 51.562,30.734 49.276,33.02 49.276,34.925 49.911,35.56
5VIN- on Top Layer "5VIN-_L01_P077" (hatched 90Degree grid 0.508 track 0.203, pour order 77): 28.829,46.863 28.829,44.831 29.972,43.688 29.972,42.164 31.369,40.767 32.258,40.767 32.258,44.069 31.242,44.069 30.226,45.085 30.226,46.72 30.083,46.863
5VIN- on Top Layer "5VIN-_L01_P076" (hatched 90Degree grid 0.508 track 0.203, pour order 76): 45.212,47.117 45.212,43.561 46.736,43.561 46.736,47.117
3.3VCC on Top Layer "3.3VCC_L01_P073" (hatched 90Degree grid 0.508 track 0.203, pour order 73): 41.656,44.704 43.942,44.704 43.942,50.292 41.656,50.292
3.3VCC on Top Layer "3.3VCC_L01_P071" (hatched 90Degree grid 0.508 track 0.203, pour order 71): 35.56,48.26 36.322,48.26 37.084,49.022 37.084,55.245 37.719,55.88 37.719,60.96 30.861,67.818 30.861,81.28 32.766,81.28 32.766,68.072 39.243,61.595 39.243,46.228 35.56,46.228
3.3VCC on Top Layer "3.3VCC_L01_P070" (hatched 90Degree grid 0.508 track 0.203, pour order 70): 31.623,50.292 33.528,50.292 36.449,47.371 38.1,47.371 39.243,46.228 39.243,44.831 39.116,44.704 32.004,44.704 31.623,45.085
5VDD on Top Layer "5VDD_L01_P063" (hatched 90Degree grid 0.508 track 0.203, pour order 63): 31.75,23.749 32.385,23.749 33.782,25.146 33.782,27.051 34.925,27.051 34.925,25.273 33.655,24.003 33.655,21.59 31.75,21.59
SGND on Top Layer "SGND_L01_P062" (hatched 90Degree grid 0.508 track 0.203, pour order 62): 38.354,26.924 35.814,26.924 35.814,24.892 34.925,24.003 34.925,21.209 38.354,21.209
SGND on Top Layer "SGND_L01_P061" (hatched 90Degree grid 0.508 track 0.203, pour order 61): 34.925,24.003 34.925,21.209 34.417,20.701 29.337,20.701 28.702,20.066 28.702,19.431 29.21,18.923 37.211,18.923 38.354,20.066 38.354,24.003
5VDD on Top Layer "5VDD_L01_P060" (hatched 90Degree grid 0.508 track 0.203, pour order 60): 19.812,18.923 19.812,22.225 21.59,24.003 33.655,24.003 33.655,21.59 25.4,21.59 24.13,20.32 24.13,18.923
5VIN- on Top Layer "5VIN-_L01_P059" (hatched 90Degree grid 0.508 track 0.203, pour order 59): 15.316,19.456 15.316,25.095 15.748,25.527 17.272,25.527 17.653,25.146 17.653,19.431
5VIN- on Top Layer "5VIN-_L01_P058" (hatched 90Degree grid 0.508 track 0.203, pour order 58): 9.017,27.686 9.271,27.94 11.557,27.94 11.557,25.146 10.16,23.749 9.017,23.749
5VIN- on Top Layer "5VIN-_L01_P054" (hatched 90Degree grid 0.508 track 0.203, pour order 54): 53.086,13.462 51.816,12.192 47.117,12.192 46.228,13.081 46.228,18.669 43.942,20.955 43.942,31.115 44.45,31.623 45.466,31.623 47.752,29.337 47.752,19.558 48.641,18.669 48.641,16.129 49.403,15.367 52.578,15.367 53.086,14.859
5VIN on Top Layer "5VIN_L01_P053" (hatched 90Degree grid 0.508 track 0.203, pour order 53): 40.894,9.398 24.46,9.398 24.46,8.89 41.783,8.89 43.561,10.668 43.561,13.716 43.688,13.843 44.45,13.843 44.45,12.319 44.704,12.065 44.704,10.541 45.847,9.398 53.975,9.398 56.007,11.43 56.007,22.098 54.61,23.495 49.53,23.495 48.895,22.86 48.895,19.685 49.911,18.669 53.34,18.669 53.975,18.034 53.975,13.208 52.324,11.557 46.101,11.557 44.958,12.7 44.958,18.288 42.926,20.32 42.926,30.988 42.418,31.496 41.148,31.496 40.513,30.861 40.513,26.416 39.878,25.781 39.878,18.415 42.418,15.875 42.418,15.113 41.783,15.113 38.862,18.034 30.099,18.034 29.21,17.145 29.21,15.113 29.845,14.478 33.02,14.478 33.02,16.002 33.274,16.256 36.068,16.256 36.83,15.494 36.83,10.668 37.211,10.287 39.243,10.287 42.545,13.589 42.799,13.335 42.799,13.081 42.164,12.446 42.164,10.668
5VIN- on Top Layer "5VIN-_L01_P052" (solid, pour order 52): 35.306,14.605 35.814,14.097 35.814,11.303 34.798,10.287 30.099,10.287 29.464,10.922 29.464,12.7 30.099,13.335 34.29,13.335 34.417,13.462 34.29,13.589 34.29,14.605
5VIN- on Bottom Layer "5VIN-_L02_P051" (hatched 90Degree grid 0.508 track 0.203, pour order 51): 53.721,15.748 55.499,13.97 55.499,10.668 54.229,9.398 18.542,9.398 17.145,10.795 17.145,13.589 19.304,15.748
5VIN- on Bottom Layer "5VIN-_L02_P084" (hatched 90Degree grid 0.508 track 0.203, pour order 84): 43.053,81.915 43.942,82.804 43.942,83.566 43.18,84.328 33.782,84.328 31.242,86.868 27.94,86.868 27.94,90.932 33.401,96.393 42.926,96.393 46.863,92.456 46.863,83.693 47.117,83.439 51.054,83.439 52.578,84.963 55.88,84.963 55.88,78.994 53.721,76.835 50.927,76.835 50.165,77.597 50.165,78.867 49.53,79.502 44.831,79.502 44.323,78.994 43.053,78.994
3.3VCC on Bottom Layer "3.3VCC_L02_P100" (hatched 90Degree grid 0.508 track 0.203, pour order 100): 34.036,67.056 37.973,67.056 37.973,66.04 35.941,64.008 34.036,64.008
3.3VCC on Bottom Layer "3.3VCC_L02_P082" (hatched 90Degree grid 0.508 track 0.203, pour order 82): 33.655,62.103 34.036,62.484 34.036,67.056 35.941,65.151 35.941,62.103
5VIN- on Bottom Layer "5VIN-_L02_P099" (hatched 90Degree grid 0.508 track 0.203, pour order 99): 43.688,66.802 44.27,66.802 45.603,65.468 45.603,64.018 44.323,62.738 43.688,62.738
5VIN- on Bottom Layer "5VIN-_L02_P068" (hatched 90Degree grid 0.508 track 0.203, pour order 68): 27.686,34.163 20.447,26.924 26.543,26.924 32.258,32.639 32.258,45.212 34.798,47.752 39.243,47.752 39.497,48.006 39.497,49.403 38.862,50.038 33.274,50.038 27.686,44.45
3.3VCC on Bottom Layer "3.3VCC_L02_P066" (hatched 90Degree grid 0.508 track 0.203, pour order 66): 32.893,32.258 27.051,26.416 30.607,26.416 36.703,32.512 36.703,42.418 39.497,45.212 39.497,47.117 34.925,47.117 32.893,45.085
VIN- on Bottom Layer "VIN-_L02_P091" (hatched 90Degree grid 0.508 track 0.203, pour order 91): 58.42,15.367 57.785,14.732 57.785,10.541 58.674,9.652 67.31,9.652 68.199,10.541 68.199,16.374 68.335,16.51 68.707,16.51 68.834,16.383 68.834,10.414 69.469,9.779 76.708,9.779 77.978,11.049 77.978,21.209 77.343,21.844 76.327,21.844 75.819,21.336 75.819,16.51 75.184,15.875 72.898,15.875 69.342,19.431 67.945,19.431 67.818,19.304 67.818,16.383 66.421,14.986 61.214,14.986 60.833,15.367
5VIN- on Bottom Layer "5VIN-_L02_P079" (hatched 90Degree grid 0.508 track 0.203, pour order 79): 29.591,49.911 31.242,49.911 33.274,51.943 33.274,53.594 32.639,54.229 30.099,54.229 29.591,53.721 29.591,52.832 28.575,51.816 25.527,51.816 24.511,52.832 24.511,53.213 19.558,58.166 5.08,58.166 5.08,96.266 20.32,96.266 21.336,95.25 21.336,62.992 27.559,56.769 33.528,56.769 36.322,53.975 36.322,50.673 33.28,50.673 29.978,47.371 29.591,47.371
5VIN- on Bottom Layer "5VIN-_L02_P083" (hatched 90Degree grid 0.508 track 0.203, pour order 83): 36.703,63.754 40.005,67.056 40.005,78.867 43.053,81.915 44.323,81.915 44.323,62.738 43.053,61.468 43.053,58.801 40.513,56.261 36.703,56.261
5VIN- on Bottom Layer "5VIN-_L02_P075" (hatched 90Degree grid 0.508 track 0.203, pour order 75): 38.862,51.054 42.418,51.054 43.053,51.689 43.053,56.134 45.593,56.134 46.355,55.372 46.355,44.831 46.355,43.561 45.339,43.561 45.339,48.26 44.704,48.895 41.656,48.895 40.513,47.752 38.862,47.752
3.3VCC on Bottom Layer "3.3VCC_L02_P081" (hatched 90Degree grid 0.508 track 0.203, pour order 81): 29.718,63.119 29.718,61.087 30.861,59.944 35.941,59.944 35.941,62.103 32.131,62.103 31.115,63.119
5VIN- on Bottom Layer "5VIN-_L02_P080" (hatched 90Degree grid 0.508 track 0.203, pour order 80): 37.084,49.911 37.084,54.229 34.036,57.277 27.94,57.277 25.4,59.817 25.4,65.024 28.702,65.024 28.702,60.579 30.099,59.182 40.64,59.182 40.64,49.911
5VIN- on Bottom Layer "5VIN-_L02_P078" (hatched 90Degree grid 0.508 track 0.203, pour order 78): 29.591,48.895 24.13,48.895 22.606,50.419 16.891,50.419 12.7,54.61 7.112,54.61 5.08,52.578 5.08,25.654 6.477,24.257 11.811,24.257 18.796,31.242 23.876,31.242 27.178,34.544 27.178,44.577 30.607,48.006 30.607,49.911 29.591,49.911
3.3VCC on Bottom Layer "3.3VCC_L02_P072" (hatched 90Degree grid 0.508 track 0.203, pour order 72): 39.497,47.117 42.164,47.117 42.545,47.498 42.545,48.133 44.196,48.133 44.196,44.958 44.069,44.831 38.862,44.831 38.862,47.117
5VIN- on Bottom Layer "5VIN-_L02_P069" (hatched 90Degree grid 0.508 track 0.203, pour order 69): 14.478,26.035 18.847,30.404 24.689,30.404 17.018,22.733 15.113,22.733 14.478,23.368
3.3VCC on Bottom Layer "3.3VCC_L02_P067" (hatched 90Degree grid 0.508 track 0.203, pour order 67): 16.129,21.209 21.387,26.467 30.658,26.467 28.321,24.13 21.844,24.13 16.129,18.415 8.636,18.415 8.636,20.32 11.176,22.86 14.097,22.86 14.351,22.606 14.351,21.844 14.986,21.209

## Keep-outs
Keep-Out Layer:
  the board outline again, w0.3

## Other copper
Top Layer:
  rectangle net 5VIN-: 17.907,10.16 19.685,13.589
Bottom Layer:
  rectangle net 5VIN-: 17.78,10.033 19.939,13.589
  rectangle net 3.3VCC: 29.083,84.709 31.242,86.233

## Silkscreen, mask and mechanical layers (free items; w line width, h text height)
Top Overlay:
  lines w0.203: 59.436,48.895 cw(c59.436,47.707) 60.276,48.547 ; 71.247,85.598 71.247,95.885 76.327,95.885 76.327,85.598 ; 71.247,91.821 76.327,91.821 ; 71.374,94.107 76.327,94.107 ; 71.882,65.405 ccw(c71.882,66.631) 72.749,65.764 73.174,66.189 cw(c74.041,65.322) 74.041,66.548 ; 73.152,58.928 73.809,58.271 cw(c72.942,57.404) 74.168,57.404 ; 29.083,90.932 29.083,97.79 38.862,97.79 38.862,92.456 39.243,92.075 43.307,92.075 43.307,89.662 38.608,89.662 38.608,90.932 29.083,90.932
  text "Copyright © 2022 合肥弗雷电子科技有限公司. All rights reserved." at 1.143,4.357 h1.5
  text "FL7.820.00001" at 1.143,2.685 h1.5
  text "dev1.0" at 10.033,2.685 h1.5
  text "By wangqi" at 8.255,1.182 h1.5
  text "betaV2.3" at 1.143,0.783 h1.5
Mechanical 1:
  lines w0.203: 13.589,0 13.716,0
  lines w0.3: 80.008,0 65.024,0 65.024,5.334 ccw(c63.754,5.334) 63.754,6.604 41.275,6.604 ccw(c41.275,5.334) 40.005,5.334 40.005,4.318 cw(c38.735,4.318) 38.735,3.048 16.256,3.048 ccw(c16.256,1.778) 14.986,1.778 14.986,1.27 cw(c13.716,1.27) 13.716,0 0,0 0,100.076 80.01,100.076 80.01,0

## Text inside footprints (layer, text, board x,y; h text height)
C13: Top Overlay "+" at 72.517,19.044 h0.8
C21: Top Overlay "+" at 64.389,17.774 h0.8
D1: Top Overlay "+" at 28.067,94.107 h0.76 r180
U1: Top Overlay "VO-" at 50.673,15.113 h0.8 r180; Top Overlay "VO+" at 50.546,20.193 h0.8 r180; Top Overlay "VIN+" at 60.452,21.463 h0.8 r180; Top Overlay "VIN-" at 60.579,14.224 h0.8 r180